# Allegro board 038RT-9068CJK8E-A100_0921_1.brd (continued)
## Nets (continued)
SLOT1-UP.D12 SLOT1-UP.D14 SLOT1-UP.D16 SLOT1-UP.D18 SLOT1-UP.D20 SLOT1-UP.D22 SLOT1-UP.D24 SLOT1-UP.D26 SLOT1-UP.E2 SLOT1-UP.E4 SLOT1-UP.E6 SLOT1-UP.E8 SLOT1-UP.E10 SLOT1-UP.E12 SLOT1-UP.E14 SLOT1-UP.E16 SLOT1-UP.E18 SLOT1-UP.E20 SLOT1-UP.E22 SLOT1-UP.E24 SLOT1-UP.E26 SLOT1-UP.F2 SLOT1-UP.F4 SLOT1-UP.F6 SLOT1-UP.F8 SLOT1-UP.F10 SLOT1-UP.F12 SLOT1-UP.F14 SLOT1-UP.F16 SLOT1-UP.F18 SLOT1-UP.F20 SLOT1-UP.F22 SLOT1-UP.F24 SLOT1-UP.F26 SLOT2-DOWN.A2 SLOT2-DOWN.A4 SLOT2-DOWN.A6 SLOT2-DOWN.A8 SLOT2-DOWN.A10 SLOT2-DOWN.A12 SLOT2-DOWN.A14 SLOT2-DOWN.A16 SLOT2-DOWN.A18 SLOT2-DOWN.A20 SLOT2-DOWN.A22 SLOT2-DOWN.A24 SLOT2-DOWN.A26 SLOT2-DOWN.B1 SLOT2-DOWN.B3 SLOT2-DOWN.B5 SLOT2-DOWN.B7 SLOT2-DOWN.B9 SLOT2-DOWN.B11 SLOT2-DOWN.B13 SLOT2-DOWN.B15 SLOT2-DOWN.B17 SLOT2-DOWN.B19 SLOT2-DOWN.B21 SLOT2-DOWN.B23 SLOT2-DOWN.B25 SLOT2-DOWN.B27 SLOT2-DOWN.C2 SLOT2-DOWN.C4 SLOT2-DOWN.C6 SLOT2-DOWN.C8 SLOT2-DOWN.C10 SLOT2-DOWN.C12 SLOT2-DOWN.C14 SLOT2-DOWN.C16 SLOT2-DOWN.C18 SLOT2-DOWN.C20 SLOT2-DOWN.C22 SLOT2-DOWN.C24 SLOT2-DOWN.C26 SLOT2-DOWN.D5 SLOT2-DOWN.D7 SLOT2-DOWN.D9 SLOT2-DOWN.D11 SLOT2-DOWN.D13 SLOT2-DOWN.D15 SLOT2-DOWN.D17 SLOT2-DOWN.D19 SLOT2-DOWN.D21 SLOT2-DOWN.D23 SLOT2-DOWN.D25 SLOT2-DOWN.E1 SLOT2-DOWN.E2 SLOT2-DOWN.E4 SLOT2-DOWN.E6 SLOT2-DOWN.E8 SLOT2-DOWN.E10 SLOT2-DOWN.E12 SLOT2-DOWN.E14 SLOT2-DOWN.E16 SLOT2-DOWN.E18 SLOT2-DOWN.E20 SLOT2-DOWN.E22 SLOT2-DOWN.E24 SLOT2-DOWN.E26 SLOT2-DOWN.F1 SLOT2-DOWN.F3 SLOT2-DOWN.F5 SLOT2-DOWN.F7 SLOT2-DOWN.F9 SLOT2-DOWN.F11 SLOT2-DOWN.F13 SLOT2-DOWN.F15 SLOT2-DOWN.F17 SLOT2-DOWN.F19 SLOT2-DOWN.F21 SLOT2-DOWN.F23 SLOT2-DOWN.F25 SLOT2-UP.A1 SLOT2-UP.A3 SLOT2-UP.A5 SLOT2-UP.A7 SLOT2-UP.A9 SLOT2-UP.A11 SLOT2-UP.A13 SLOT2-UP.A15 SLOT2-UP.A17 SLOT2-UP.A19 SLOT2-UP.A21 SLOT2-UP.A23 SLOT2-UP.A25 SLOT2-UP.A27 SLOT2-UP.B2 SLOT2-UP.B4 SLOT2-UP.B6 SLOT2-UP.B8 SLOT2-UP.B10 SLOT2-UP.B12 SLOT2-UP.B14 SLOT2-UP.B16 SLOT2-UP.B18 SLOT2-UP.B20 SLOT2-UP.B22 SLOT2-UP.B24 SLOT2-UP.B26 SLOT2-UP.C1 SLOT2-UP.C3 SLOT2-UP.C5 SLOT2-UP.C7 SLOT2-UP.C9 SLOT2-UP.C11 SLOT2-UP.C13 SLOT2-UP.C15 SLOT2-UP.C17 SLOT2-UP.C19 SLOT2-UP.C21 SLOT2-UP.C23 SLOT2-UP.C25 SLOT2-UP.C27 SLOT2-UP.D2 SLOT2-UP.D4 SLOT2-UP.D6 SLOT2-UP.D8 SLOT2-UP.D10 SLOT2-UP.D12 SLOT2-UP.D14 SLOT2-UP.D16 SLOT2-UP.D18 SLOT2-UP.D20 SLOT2-UP.D22 SLOT2-UP.D24 SLOT2-UP.D26 SLOT2-UP.E2 SLOT2-UP.E4 SLOT2-UP.E6 SLOT2-UP.E8 SLOT2-UP.E10 SLOT2-UP.E12 SLOT2-UP.E14 SLOT2-UP.E16 SLOT2-UP.E18 SLOT2-UP.E20 SLOT2-UP.E22 SLOT2-UP.E24 SLOT2-UP.E26 SLOT2-UP.F2 SLOT2-UP.F4 SLOT2-UP.F6 SLOT2-UP.F8 SLOT2-UP.F10 SLOT2-UP.F12 SLOT2-UP.F14 SLOT2-UP.F16 SLOT2-UP.F18 SLOT2-UP.F20 SLOT2-UP.F22 SLOT2-UP.F24 SLOT2-UP.F26 SLOT3-DOWN.A2 SLOT3-DOWN.A4 SLOT3-DOWN.A6 SLOT3-DOWN.A8 SLOT3-DOWN.A10 SLOT3-DOWN.A12 SLOT3-DOWN.A14 SLOT3-DOWN.A16 SLOT3-DOWN.A18 SLOT3-DOWN.A20 SLOT3-DOWN.A22 SLOT3-DOWN.A24 SLOT3-DOWN.A26 SLOT3-DOWN.B1 SLOT3-DOWN.B3 SLOT3-DOWN.B5 SLOT3-DOWN.B7 SLOT3-DOWN.B9 SLOT3-DOWN.B11 SLOT3-DOWN.B13 SLOT3-DOWN.B15 SLOT3-DOWN.B17 SLOT3-DOWN.B19 SLOT3-DOWN.B21 SLOT3-DOWN.B23 SLOT3-DOWN.B25 SLOT3-DOWN.B27 SLOT3-DOWN.C2 SLOT3-DOWN.C4 SLOT3-DOWN.C6 SLOT3-DOWN.C8 SLOT3-DOWN.C10 SLOT3-DOWN.C12 SLOT3-DOWN.C14 SLOT3-DOWN.C16 SLOT3-DOWN.C18 SLOT3-DOWN.C20 SLOT3-DOWN.C22 SLOT3-DOWN.C24 SLOT3-DOWN.C26 SLOT3-DOWN.D5 SLOT3-DOWN.D7 SLOT3-DOWN.D9 SLOT3-DOWN.D11 SLOT3-DOWN.D13 SLOT3-DOWN.D15 SLOT3-DOWN.D17 SLOT3-DOWN.D19 SLOT3-DOWN.D21 SLOT3-DOWN.D23 SLOT3-DOWN.D25 SLOT3-DOWN.E1 SLOT3-DOWN.E2 SLOT3-DOWN.E4 SLOT3-DOWN.E6 SLOT3-DOWN.E8 SLOT3-DOWN.E10 SLOT3-DOWN.E12 SLOT3-DOWN.E14 SLOT3-DOWN.E16 SLOT3-DOWN.E18 SLOT3-DOWN.E20 SLOT3-DOWN.E22 SLOT3-DOWN.E24 SLOT3-DOWN.E26 SLOT3-DOWN.F1 SLOT3-DOWN.F3 SLOT3-DOWN.F5 SLOT3-DOWN.F7 SLOT3-DOWN.F9 SLOT3-DOWN.F11 SLOT3-DOWN.F13 SLOT3-DOWN.F15 SLOT3-DOWN.F17 SLOT3-DOWN.F19 SLOT3-DOWN.F21 SLOT3-DOWN.F23 SLOT3-DOWN.F25 SLOT3-UP.A1 SLOT3-UP.A3 SLOT3-UP.A5 SLOT3-UP.A7 SLOT3-UP.A9 SLOT3-UP.A11 SLOT3-UP.A13 SLOT3-UP.A15 SLOT3-UP.A17 SLOT3-UP.A19 SLOT3-UP.A21 SLOT3-UP.A23 SLOT3-UP.A25 SLOT3-UP.A27 SLOT3-UP.B2 SLOT3-UP.B4 SLOT3-UP.B6 SLOT3-UP.B8 SLOT3-UP.B10 SLOT3-UP.B12 SLOT3-UP.B14 SLOT3-UP.B16 SLOT3-UP.B18 SLOT3-UP.B20 SLOT3-UP.B22 SLOT3-UP.B24 SLOT3-UP.B26 SLOT3-UP.C1 SLOT3-UP.C3 SLOT3-UP.C5 SLOT3-UP.C7 SLOT3-UP.C9 SLOT3-UP.C11 SLOT3-UP.C13 SLOT3-UP.C15 SLOT3-UP.C17 SLOT3-UP.C19 SLOT3-UP.C21 SLOT3-UP.C23 SLOT3-UP.C25 SLOT3-UP.C27 SLOT3-UP.D2 SLOT3-UP.D4 SLOT3-UP.D6 SLOT3-UP.D8 SLOT3-UP.D10 SLOT3-UP.D12 SLOT3-UP.D14 SLOT3-UP.D16 SLOT3-UP.D18 SLOT3-UP.D20 SLOT3-UP.D22 SLOT3-UP.D24 SLOT3-UP.D26 SLOT3-UP.E2 SLOT3-UP.E4 SLOT3-UP.E6 SLOT3-UP.E8 SLOT3-UP.E10 SLOT3-UP.E12 SLOT3-UP.E14 SLOT3-UP.E16 SLOT3-UP.E18 SLOT3-UP.E20 SLOT3-UP.E22 SLOT3-UP.E24 SLOT3-UP.E26 SLOT3-UP.F2 SLOT3-UP.F4 SLOT3-UP.F6 SLOT3-UP.F8 SLOT3-UP.F10 SLOT3-UP.F12 SLOT3-UP.F14 SLOT3-UP.F16 SLOT3-UP.F18 SLOT3-UP.F20 SLOT3-UP.F22 SLOT3-UP.F24 SLOT3-UP.F26 SLOT21.B2 SLOT21.B5 SLOT21.B8 SLOT21.B11 SLOT21.B14 SLOT21.B17 SLOT21.B20 SLOT21.B23 SLOT21.D2 SLOT21.D5 SLOT21.D8 SLOT21.D11 SLOT21.D14 SLOT21.D17 SLOT21.D20 SLOT21.D23 SLOT21.E3 SLOT21.E6 SLOT21.E9 SLOT21.E12 SLOT21.E15 SLOT21.E18 SLOT21.E21 SLOT21.E24 SLOT21.F7 SLOT21.F10 SLOT21.F13 SLOT21.F16 SLOT21.F19 SLOT21.F22 SLOT22.B2 SLOT22.B5 SLOT22.B8 SLOT22.B11 SLOT22.B14 SLOT22.B17 SLOT22.B20 SLOT22.B23 SLOT22.D2 SLOT22.D5 SLOT22.D8 SLOT22.D11 SLOT22.D14 SLOT22.D17 SLOT22.D20 SLOT22.D23 SLOT22.E3 SLOT22.E6 SLOT22.E9 SLOT22.E12 SLOT22.E15 SLOT22.E18 SLOT22.E21 SLOT22.E24 SLOT22.F7 SLOT22.F10 SLOT22.F13 SLOT22.F16 SLOT22.F19 SLOT22.F22 SLOT23.B2 SLOT23.B5 SLOT23.B8 SLOT23.B11 SLOT23.B14 SLOT23.B17 SLOT23.B20 SLOT23.B23 SLOT23.D2 SLOT23.D5 SLOT23.D8 SLOT23.D11 SLOT23.D14 SLOT23.D17 SLOT23.D20 SLOT23.D23 SLOT23.E3 SLOT23.E6 SLOT23.E9 SLOT23.E12 SLOT23.E15 SLOT23.E18 SLOT23.E21 SLOT23.E24 SLOT23.F7 SLOT23.F10 SLOT23.F13 SLOT23.F16 SLOT23.F19 SLOT23.F22 SLOT24.B2 SLOT24.B5 SLOT24.B8 SLOT24.B11 SLOT24.B14 SLOT24.B17 SLOT24.B20 SLOT24.B23 SLOT24.D2 SLOT24.D5 SLOT24.D8 SLOT24.D11 SLOT24.D14 SLOT24.D17 SLOT24.D20 SLOT24.D23 SLOT24.E3 SLOT24.E6 SLOT24.E9 SLOT24.E12 SLOT24.E15 SLOT24.E18 SLOT24.E21 SLOT24.E24 SLOT24.F7 SLOT24.F10 SLOT24.F13 SLOT24.F16 SLOT24.F19 SLOT24.F22 SPIH11.4(GND) SPIH21.4(GND) STB00.2 STB64.2 STG1.1 STG01.1 STG2.1 STG3.1 STG6.1 SWR1.4(PGND) SWR1.8(SGND) SWR1.EP(EP(PGND)) U6.1(GND_1) U6.3(GND_2) U6.4(GND_3) U6.5(GND_4) U6.9(GND_5) U6.14(GND_6) U6.17(GND_7) U6.23(GND_8) U6.29(GND_9) U6.30(GND_10) U6.32(GND_11) U6.34(GND_12) U6.35(GND_13) U6.41(GND_14) U6.50(GND_15) U6.51(GND_16) U6.57(GND_17) U6.62(GND_18) U6.63(GND_19) U17.1(GND_1) U17.3(GND_2) U17.4(GND_3) U17.5(GND_4) U17.9(GND_5) U17.14(GND_6) U17.17(GND_7) U17.23(GND_8) U17.29(GND_9) U17.30(GND_10) U17.32(GND_11) U17.34(GND_12) U17.35(GND_13) U17.41(GND_14) U17.50(GND_15) U17.51(GND_16) U17.57(GND_17) U17.62(GND_18) U17.63(GND_19) U18.1(GND_1) U18.3(GND_2) U18.4(GND_3) U18.5(GND_4) U18.9(GND_5) U18.14(GND_6) U18.17(GND_7) U18.23(GND_8) U18.29(GND_9) U18.30(GND_10) U18.32(GND_11) U18.34(GND_12) U18.35(GND_13) U18.41(GND_14) U18.50(GND_15) U18.51(GND_16) U18.57(GND_17) U18.62(GND_18) U18.63(GND_19) UNK1BD15.2 UNK1BD16.2 UNK1BD17.1 UNK1BD18.1 UNK1BDG15.2 UNK1BDG16.2 UNK1BDG17.1 UNK1BDG18.1 UNK1BDH11.1 UNK1BDH12.1 UNK1BDH13.1 UNK1BDH14.1 UNK1BDH21.1 UNK1BDH22.1 UNK1BDH23.1 UNK1BDH24.1 UNK1C13.2 UNK1C18.2 UNK1C19.2 UNK1C75.1 UNK1C76.1 UNK1C78.2 UNK1C79.2 UNK1C119.2 UNK1C144.2 UNK1C145.2 UNK1C168.1 UNK1C169.1 UNK1C171.2 UNK1C172.2 UNK1C173.2 UNK1C174.1 UNK1C174.2 UNK1C175.1 UNK1C175.2 UNK1C176.1 UNK1C176.2 UNK1C177.1 UNK1C177.2 UNK1C178.1 UNK1C178.2 UNK1C181.2 UNK1C182.2 UNK1C185.2 UNK1C194.2 UNK1C197.2 UNK1C209.2 UNK1C213.2 UNK1C214.2 UNK1C217.2 UNK1C220.2 UNK1C292.2 UNK1C319.1 UNK1C319.2 UNK1C320.1 UNK1C320.2 UNK1C321.1 UNK1C321.2 UNK1C322.1 UNK1C322.2 UNK1C323.1 UNK1C323.2 UNK1C324.2 UNK1C325.2 UNK1C375.2 UNK1C379.2 UNK1C391.2 UNK1C399.2 UNK1C406.2 UNK1C418.2 UNK1C427.2 UNK1C436.2 UNK1C439.2 UNK1C440.2 UNK1C441.2 UNK1C442.2 UNK1CD1.2 UNK1CD2.2 UNK1CD3.2 UNK1CD4.2 UNK1CD5.2 UNK1CD6.2 UNK1CD7.2 UNK1CD8.2 UNK1CD9.2 UNK1CD10.2 UNK1CD11.2 UNK1CD12.2 UNK1CD13.2 UNK1CD14.2 UNK1CD15.2 UNK1CD16.2 UNK1CD17.2 UNK1CD18.2 UNK1CD19.2 UNK1CD20.2 UNK1CD21.2 UNK1CD22.2 UNK1CD23.2 UNK1CD24.2 UNK1CD25.2 UNK1CD26.2 UNK1CD27.2 UNK1CD28.2 UNK1CD29.2 UNK1CD30.2 UNK1CD31.2 UNK1CD32.2 UNK1CD33.2 UNK1CD34.2 UNK1CD35.2 UNK1CD36.2 UNK1CD37.2 UNK1CD38.2 UNK1CD39.2 UNK1CD40.2 UNK1CD41.2 UNK1CD42.2 UNK1CD43.2 UNK1CD44.2 UNK1CD45.2 UNK1CD46.2 UNK1CD47.2 UNK1CD48.2 UNK1CD49.2 UNK1CD50.2 UNK1CD51.2 UNK1CD52.2 UNK1CD53.2 UNK1CD54.2 UNK1CD55.2 UNK1CD56.2 UNK1CD57.2 UNK1CD58.2 UNK1CD59.2 UNK1CD60.2 UNK1CD61.2 UNK1CD62.2 UNK1CD63.2 UNK1CD64.2 UNK1CD65.2 UNK1CD66.2 UNK1CD67.2 UNK1CD68.2 UNK1CD69.2 UNK1CD70.2 UNK1CD71.2 UNK1CD72.2 UNK1CD73.2 UNK1CD74.2 UNK1CD75.2 UNK1CD76.2 UNK1CD77.2 UNK1CD78.2 UNK1CD79.2 UNK1CD80.2 UNK1CD81.2 UNK1CD82.2 UNK1CD83.2 UNK1CD84.2 UNK1CD85.2 UNK1CD86.2 UNK1CD87.2 UNK1CD88.2 UNK1CD89.2 UNK1CD91.2 UNK1CD92.2 UNK1CD93.2 UNK1CD94.2 UNK1CD95.2 UNK1CD97.2 UNK1CD98.2 UNK1CD99.2 UNK1CD100.2 UNK1CD104.2 UNK1CD105.2 UNK1CD106.2 UNK1CD107.2 UNK1CD108.2 UNK1CD109.2 UNK1CD110.2 UNK1CD111.2 UNK1CD112.2 UNK1CD113.2 UNK1CD115.2 UNK1CD116.2 UNK1CD117.2 UNK1CD118.2 UNK1CD119.2 UNK1CD120.2 UNK1CD121.2 UNK1CD122.2 UNK1CD123.2 UNK1CD124.2 UNK1CD125.2 UNK1CD126.2 UNK1CD127.2 UNK1CD128.2 UNK1CD129.2 UNK1CD130.2 UNK1CD131.2 UNK1CD132.2 UNK1CD133.2 UNK1CD134.2 UNK1CD135.2 UNK1CD136.2 UNK1CD137.2 UNK1CD138.2 UNK1CD139.2 UNK1CD140.2 UNK1CD141.2 UNK1CD142.2 UNK1CD143.2 UNK1CD144.2 UNK1CD145.2 UNK1CD146.2 UNK1CD147.2 UNK1CD148.2 UNK1CD149.2 UNK1CD150.2 UNK1CD151.2 UNK1CD152.2 UNK1CD154.2 UNK1CD155.2 UNK1CD156.2 UNK1CD157.2 UNK1CD158.2 UNK1CD159.2 UNK1CD160.2 UNK1CD161.2 UNK1CD162.2 UNK1CD163.2 UNK1CD164.2 UNK1CD165.2 UNK1CD166.2 UNK1CD167.2 UNK1CD168.2 UNK1CD169.2 UNK1CD170.2 UNK1CD171.2 UNK1CD172.2 UNK1CD173.2 UNK1CD174.2 UNK1CD175.2 UNK1CD176.2 UNK1CD177.2 UNK1CD178.2 UNK1CD179.2 UNK1CD180.2 UNK1CD181.2 UNK1CD182.2 UNK1CD183.2 UNK1CG1.2 UNK1CG2.2 UNK1CG3.2 UNK1CG4.2 UNK1CG5.2 UNK1CG6.2 UNK1CG7.2 UNK1CG8.2 UNK1CG9.2 UNK1CG10.2 UNK1CG11.2 UNK1CG12.2 UNK1CG13.2 UNK1CG14.2 UNK1CG15.2 UNK1CG16.2 UNK1CG17.2 UNK1CG18.2 UNK1CG19.2 UNK1CG20.2 UNK1CG21.2 UNK1CG22.2 UNK1CG23.2 UNK1CG24.2 UNK1CG25.2 UNK1CG26.2 UNK1CG27.2 UNK1CG28.2 UNK1CG29.2 UNK1CG30.2 UNK1CG31.2 UNK1CG32.2 UNK1CG33.2 UNK1CG34.2 UNK1CG35.2 UNK1CG36.2 UNK1CG37.2 UNK1CG38.2 UNK1CG39.2 UNK1CG40.2 UNK1CG41.2 UNK1CG42.2 UNK1CG43.2 UNK1CG44.2 UNK1CG45.2 UNK1CG46.2 UNK1CG47.2 UNK1CG48.2 UNK1CG49.2 UNK1CG50.2 UNK1CG51.2 UNK1CG52.2 UNK1CG53.2 UNK1CG54.2 UNK1CG55.2 UNK1CG56.2 UNK1CG57.2 UNK1CG58.2 UNK1CG59.2 UNK1CG60.2 UNK1CG61.2 UNK1CG62.2 UNK1CG63.2 UNK1CG64.2 UNK1CG65.2 UNK1CG66.2 UNK1CG67.2 UNK1CG68.2 UNK1CG69.2 UNK1CG70.2 UNK1CG71.2 UNK1CG72.2 UNK1CG73.2 UNK1CG74.2 UNK1CG75.2 UNK1CG76.2 UNK1CG77.2 UNK1CG78.2 UNK1CG79.2 UNK1CG80.2 UNK1CG81.2 UNK1CG82.2 UNK1CG83.2 UNK1CG84.2 UNK1CG85.2 UNK1CG86.2 UNK1CG87.2 UNK1CG88.2 UNK1CG89.2 UNK1CG91.2 UNK1CG92.2 UNK1CG93.2 UNK1CG94.2 UNK1CG95.2 UNK1CG97.2 UNK1CG98.2 UNK1CG99.2 UNK1CG100.2 UNK1CG101.2 UNK1CG102.2 UNK1CG103.2 UNK1CG104.2 UNK1CG105.2 UNK1CG106.2 UNK1CG107.2 UNK1CG108.2 UNK1CG109.2 UNK1CG110.2 UNK1CG111.2 UNK1CG112.2 UNK1CG113.2 UNK1CG115.2 UNK1CG116.2 UNK1CG117.2 UNK1CG118.2 UNK1CG119.2 UNK1CG120.2 UNK1CG121.2 UNK1CG122.2 UNK1CG123.2 UNK1CG124.2 UNK1CG125.2 UNK1CG126.2 UNK1CG127.2 UNK1CG128.2 UNK1CG129.2 UNK1CG130.2 UNK1CG131.2 UNK1CG132.2 UNK1CG133.2 UNK1CG134.2 UNK1CG135.2 UNK1CG136.2 UNK1CG137.2 UNK1CG138.2 UNK1CG139.2 UNK1CG140.2 UNK1CG141.2 UNK1CG142.2 UNK1CG143.2 UNK1CG144.2 UNK1CG145.2 UNK1CG146.2 UNK1CG147.2 UNK1CG148.2 UNK1CG149.2 UNK1CG150.2 UNK1CG151.2 UNK1CG152.2 UNK1CG154.2 UNK1CG155.2 UNK1CG156.2 UNK1CG158.2 UNK1CG159.2 UNK1CG161.2 UNK1CG162.2 UNK1CG163.2 UNK1CG164.2 UNK1CG165.2 UNK1CG166.2 UNK1CG167.2 UNK1CG169.2 UNK1CG170.2 UNK1CG171.2 UNK1CG172.2 UNK1CG173.2 UNK1CG174.2 UNK1CG178.2 UNK1CG179.2 UNK1CG180.2 UNK1CG181.2 UNK1CG182.2 UNK1CG183.2 UNK1CG326.2 UNK1CG327.2 UNK1CH11.2 UNK1CH21.2 UNK1CH131.2 UNK1CH141.2 UNK1CH142.2 UNK1CH152.2 UNK1CH153.1 UNK1CH154.1 UNK1CH241.2 UNK1CH242.2 UNK1CH252.2 UNK1CH253.1 UNK1CH254.1 UNK1CH1111.2 UNK1CH1112.2 UNK1CH1171.2 UNK1CH1172.2 UNK1CH1173.2 UNK1CH1174.2 UNK1CH1201.2 UNK1CH1202.2 UNK1CH1251.2 UNK1CH1252.2 UNK1CH1331.2 UNK1CH1332.2 UNK1CH1333.2 UNK1CH1334.2 UNK1CH1341.2 UNK1CH1342.2 UNK1CH1351.2 UNK1CH1352.2 UNK1CH1361.2 UNK1CH1362.2 UNK1CH1363.2 UNK1CH1364.2 UNK1CH1391.2 UNK1CH1392.2 UNK1CH1401.2 UNK1CH1402.2 UNK1CH1403.2 UNK1CH1404.2 UNK1CH1501.2 UNK1CH1502.2 UNK1CH1503.2 UNK1CH1504.2 UNK1CH1633.2 UNK1CH1634.2 UNK1CH2111.2 UNK1CH2112.2 UNK1CH2171.2 UNK1CH2172.2 UNK1CH2173.2 UNK1CH2174.2 UNK1CH2201.2 UNK1CH2202.2 UNK1CH2251.2 UNK1CH2252.2 UNK1CH2331.2 UNK1CH2341.2 UNK1CH2342.2 UNK1CH2351.2 UNK1CH2352.2 UNK1CH2361.2 UNK1CH2362.2 UNK1CH2363.2 UNK1CH2364.2 UNK1CH2391.2 UNK1CH2392.2 UNK1CH2401.2 UNK1CH2402.2 UNK1CH2403.2 UNK1CH2404.2 UNK1CH2501.2 UNK1CH2502.2 UNK1CH2503.2 UNK1CH2504.2 UNK1CH2633.2 UNK1CH2634.2 UNK1CON1.FG1 UNK1CON1.FG2 UNK1CON3.FG1 UNK1CON3.FG2 UNK1CS1.2 UNK1CS3.2 UNK1CS4.2 UNK1CS5.2 UNK1HOST1.15 UNK1HOST1.45 UNK1HOST1.EP UNK1HOST1.G1 UNK1HOST1.G2 UNK1HOST1.G3 UNK1HOST1.G4 UNK1HOST1.G5 UNK1HOST1.G6 UNK1HOST1.G7 UNK1HOST1.G8 UNK1HOST1.G9 UNK1HOST1.G10 UNK1HOST1.G11 UNK1HOST1.G12 UNK1HOST1.G13 UNK1HOST1.G14 UNK1HOST1.G15 UNK1HOST1.G16 UNK1HOST1.G17 UNK1HOST1.G18 UNK1HOST1.G19 UNK1HOST1.G20 UNK1HOST1.G21 UNK1HOST1.G22 UNK1HOST1.G23 UNK1HOST1.G24 UNK1HOST2.15 UNK1HOST2.45 UNK1HOST2.EP UNK1HOST2.G1 UNK1HOST2.G2 UNK1HOST2.G3 UNK1HOST2.G4 UNK1HOST2.G5 UNK1HOST2.G6 UNK1HOST2.G7 UNK1HOST2.G8 UNK1HOST2.G9 UNK1HOST2.G10 UNK1HOST2.G11 UNK1HOST2.G12 UNK1HOST2.G13 UNK1HOST2.G14 UNK1HOST2.G15 UNK1HOST2.G16 UNK1HOST2.G17 UNK1HOST2.G18 UNK1HOST2.G19 UNK1HOST2.G20 UNK1HOST2.G21 UNK1HOST2.G22 UNK1HOST2.G23 UNK1HOST2.G24 UNK1K6.10 UNK1K144.4 UNK1K144.14 UNK1K144.19 UNK1K144.21 UNK1K144.39 UNK1K144.41 UNK1K144.EP UNK1K145.4 UNK1K145.14 UNK1K145.19 UNK1K145.21 UNK1K145.39 UNK1K145.41 UNK1K145.EP UNK1K183.7 UNK1K184.4 UNK1K184.14 UNK1K184.19 UNK1K184.21 UNK1K184.39 UNK1K184.41 UNK1K184.EP UNK1K213.4 UNK1K213.14 UNK1K213.19 UNK1K213.21 UNK1K213.39 UNK1K213.41 UNK1K213.EP UNK1K214.4 UNK1K214.14 UNK1K214.19 UNK1K214.21 UNK1K214.39 UNK1K214.41 UNK1K214.EP UNK1K217.4 UNK1K217.14 UNK1K217.19 UNK1K217.21 UNK1K217.39 UNK1K217.41 UNK1K217.EP UNK1R2.2 UNK1R3.2 UNK1R5.2 UNK1R6.2 UNK1R7.2 UNK1R9.2 UNK1R10.2 UNK1R19.2 UNK1R24.2 UNK1R26.2 UNK1R56.2 UNK1R62.2 UNK1R69.2 UNK1R105.2 UNK1R110.2 UNK1R138.1 UNK1R264.2 UNK1R275.2 UNK1R281.2 UNK1R282.2 UNK1R309.2 UNK1R343.2 UNK1R345.2 UNK1R456.2 UNK1R500.2 UNK1R519.2 UNK1R538.2 UNK1R552.1 UNK1R568.2 UNK1R569.2 UNK1R570.2 UNK1R571.2 UNK1R572.2 UNK1R573.2 UNK1R574.2 UNK1R575.2 UNK1R576.2 UNK1R577.2 UNK1RB8.2 UNK1RH121.1 UNK1RH129.2 UNK1RH172.1 UNK1RH221.1 UNK1RH229.2 UNK1RH272.1 UNK1RH1511.2 UNK1RH2511.2 UNK1RL15.2 UNK1RL16.2 UNK1RL18.2 UNK1RL21.2 UNK1RL39.2 UNK1RL42.2 UNK1RL44.2 UNK1RRG49.2 UNK1RRG52.2 UNK1RRG54.2 UNK1RRG56.2 UNK1RRG58.2 UNK1RRG59.2 UNK1RRG92.2 UNK1RRG94.2 UNK1RRG96.2 UNK1RSG104.2 UNK1RSG105.2 UNK1RSG114.2 UNK1RSG115.2 UNK1SPIH11.4 UNK1SPIH21.4 UNK1STB00.2 UNK1STB64.2 UNK1STG1.1 UNK1STG01.1 UNK1STG2.1 UNK1STG3.1 UNK1STG6.1 UNK1SWR1.4 UNK1SWR1.8 UNK1SWR1.EP UNK1U6.1 UNK1U6.3 UNK1U6.4 UNK1U6.5 UNK1U6.9 UNK1U6.14 UNK1U6.17 UNK1U6.23 UNK1U6.29 UNK1U6.30 UNK1U6.32 UNK1U6.34 UNK1U6.35 UNK1U6.41 UNK1U6.50 UNK1U6.51 UNK1U6.57 UNK1U6.62 UNK1U6.63 UNK1U17.1 UNK1U17.3 UNK1U17.4 UNK1U17.5 UNK1U17.9 UNK1U17.14 UNK1U17.17 UNK1U17.23 UNK1U17.29 UNK1U17.30 UNK1U17.32 UNK1U17.34 UNK1U17.35 UNK1U17.41 UNK1U17.50 UNK1U17.51 UNK1U17.57 UNK1U17.62 UNK1U17.63 UNK1U18.1 UNK1U18.3 UNK1U18.4 UNK1U18.5 UNK1U18.9 UNK1U18.14 UNK1U18.17 UNK1U18.23 UNK1U18.29 UNK1U18.30 UNK1U18.32 UNK1U18.34 UNK1U18.35 UNK1U18.41 UNK1U18.50 UNK1U18.51 UNK1U18.57 UNK1U18.62 UNK1U18.63 UNK1Y6.2 UNK1Y6.4 UNK1Y7.2 UNK1Y7.4 UNK1YH11.2 UNK1YH11.4 UNK1YH21.2 UNK1YH21.4 UNK2BD15.2 UNK2BD16.2 UNK2BD17.1 UNK2BD18.1 UNK2BDG15.2 UNK2BDG16.2 UNK2BDG17.1 UNK2BDG18.1 UNK2BDH11.1 UNK2BDH12.1 UNK2BDH13.1 UNK2BDH14.1 UNK2BDH21.1 UNK2BDH22.1 UNK2BDH23.1 UNK2BDH24.1 UNK2C13.2 UNK2C18.2 UNK2C19.2 UNK2C75.1 UNK2C76.1 UNK2C78.2 UNK2C79.2 UNK2C119.2 UNK2C144.2 UNK2C145.2 UNK2C168.1 UNK2C169.1 UNK2C171.2 UNK2C172.2 UNK2C173.2 UNK2C174.1 UNK2C174.2 UNK2C175.1 UNK2C175.2 UNK2C176.1 UNK2C176.2 UNK2C177.1 UNK2C177.2 UNK2C178.1 UNK2C178.2 UNK2C181.2 UNK2C182.2 UNK2C185.2 UNK2C194.2 UNK2C197.2 UNK2C209.2 UNK2C213.2 UNK2C214.2 UNK2C217.2 UNK2C220.2 UNK2C292.2 UNK2C319.1 UNK2C319.2 UNK2C320.1 UNK2C320.2 UNK2C321.1 UNK2C321.2 UNK2C322.1 UNK2C322.2 UNK2C323.1 UNK2C323.2 UNK2C324.2 UNK2C325.2 UNK2C375.2 UNK2C379.2 UNK2C391.2 UNK2C399.2 UNK2C406.2 UNK2C418.2 UNK2C427.2 UNK2C436.2 UNK2C439.2 UNK2C440.2 UNK2C441.2 UNK2C442.2 UNK2CD1.2 UNK2CD2.2 UNK2CD3.2 UNK2CD4.2 UNK2CD5.2 UNK2CD6.2 UNK2CD7.2 UNK2CD8.2 UNK2CD9.2 UNK2CD10.2 UNK2CD11.2 UNK2CD12.2 UNK2CD13.2 UNK2CD14.2 UNK2CD15.2 UNK2CD16.2 UNK2CD17.2 UNK2CD18.2 UNK2CD19.2 UNK2CD20.2 UNK2CD21.2 UNK2CD22.2 UNK2CD23.2 UNK2CD24.2 UNK2CD25.2 UNK2CD26.2 UNK2CD27.2 UNK2CD28.2 UNK2CD29.2 UNK2CD30.2 UNK2CD31.2 UNK2CD32.2 UNK2CD33.2 UNK2CD34.2 UNK2CD35.2 UNK2CD36.2 UNK2CD37.2 UNK2CD38.2 UNK2CD39.2 UNK2CD40.2 UNK2CD41.2 UNK2CD42.2 UNK2CD43.2 UNK2CD44.2 UNK2CD45.2 UNK2CD46.2 UNK2CD47.2 UNK2CD48.2 UNK2CD49.2 UNK2CD50.2 UNK2CD51.2 UNK2CD52.2 UNK2CD53.2 UNK2CD54.2 UNK2CD55.2 UNK2CD56.2 UNK2CD57.2 UNK2CD58.2 UNK2CD59.2 UNK2CD60.2 UNK2CD61.2 UNK2CD62.2 UNK2CD63.2 UNK2CD64.2 UNK2CD65.2 UNK2CD66.2 UNK2CD67.2 UNK2CD68.2 UNK2CD69.2 UNK2CD70.2 UNK2CD71.2 UNK2CD72.2 UNK2CD73.2 UNK2CD74.2 UNK2CD75.2 UNK2CD76.2 UNK2CD77.2 UNK2CD78.2 UNK2CD79.2 UNK2CD80.2 UNK2CD81.2 UNK2CD82.2 UNK2CD83.2 UNK2CD84.2 UNK2CD85.2 UNK2CD86.2 UNK2CD87.2 UNK2CD88.2 UNK2CD89.2 UNK2CD91.2 UNK2CD92.2 UNK2CD93.2 UNK2CD94.2 UNK2CD95.2 UNK2CD97.2 UNK2CD98.2 UNK2CD99.2 UNK2CD100.2 UNK2CD104.2 UNK2CD105.2 UNK2CD106.2 UNK2CD107.2 UNK2CD108.2 UNK2CD109.2 UNK2CD110.2 UNK2CD111.2 UNK2CD112.2 UNK2CD113.2 UNK2CD115.2 UNK2CD116.2 UNK2CD117.2 UNK2CD118.2 UNK2CD119.2 UNK2CD120.2 UNK2CD121.2 UNK2CD122.2 UNK2CD123.2 UNK2CD124.2 UNK2CD125.2 UNK2CD126.2 UNK2CD127.2 UNK2CD128.2 UNK2CD129.2 UNK2CD130.2 UNK2CD131.2 UNK2CD132.2 UNK2CD133.2 UNK2CD134.2 UNK2CD135.2 UNK2CD136.2 UNK2CD137.2 UNK2CD138.2 UNK2CD139.2 UNK2CD140.2 UNK2CD141.2 UNK2CD142.2 UNK2CD143.2 UNK2CD144.2 UNK2CD145.2 UNK2CD146.2 UNK2CD147.2 UNK2CD148.2 UNK2CD149.2 UNK2CD150.2 UNK2CD151.2 UNK2CD152.2 UNK2CD154.2 UNK2CD155.2 UNK2CD156.2 UNK2CD157.2 UNK2CD158.2 UNK2CD159.2 UNK2CD160.2 UNK2CD161.2 UNK2CD162.2 UNK2CD163.2 UNK2CD164.2 UNK2CD165.2 UNK2CD166.2 UNK2CD167.2 UNK2CD168.2 UNK2CD169.2 UNK2CD170.2 UNK2CD171.2 UNK2CD172.2 UNK2CD173.2 UNK2CD174.2 UNK2CD175.2 UNK2CD176.2 UNK2CD177.2 UNK2CD178.2 UNK2CD179.2 UNK2CD180.2 UNK2CD181.2 UNK2CD182.2 UNK2CD183.2 UNK2CG1.2 UNK2CG2.2 UNK2CG3.2 UNK2CG4.2 UNK2CG5.2 UNK2CG6.2 UNK2CG7.2 UNK2CG8.2 UNK2CG9.2 UNK2CG10.2 UNK2CG11.2 UNK2CG12.2 UNK2CG13.2 UNK2CG14.2 UNK2CG15.2 UNK2CG16.2 UNK2CG17.2 UNK2CG18.2 UNK2CG19.2 UNK2CG20.2 UNK2CG21.2 UNK2CG22.2 UNK2CG23.2 UNK2CG24.2 UNK2CG25.2 UNK2CG26.2 UNK2CG27.2 UNK2CG28.2 UNK2CG29.2 UNK2CG30.2 UNK2CG31.2 UNK2CG32.2 UNK2CG33.2 UNK2CG34.2 UNK2CG35.2 UNK2CG36.2 UNK2CG37.2 UNK2CG38.2 UNK2CG39.2 UNK2CG40.2 UNK2CG41.2 UNK2CG42.2 UNK2CG43.2 UNK2CG44.2 UNK2CG45.2 UNK2CG46.2 UNK2CG47.2 UNK2CG48.2 UNK2CG49.2 UNK2CG50.2 UNK2CG51.2 UNK2CG52.2 UNK2CG53.2 UNK2CG54.2 UNK2CG55.2 UNK2CG56.2 UNK2CG57.2 UNK2CG58.2 UNK2CG59.2 UNK2CG60.2 UNK2CG61.2 UNK2CG62.2 UNK2CG63.2 UNK2CG64.2 UNK2CG65.2 UNK2CG66.2 UNK2CG67.2 UNK2CG68.2 UNK2CG69.2 UNK2CG70.2 UNK2CG71.2 UNK2CG72.2 UNK2CG73.2 UNK2CG74.2 UNK2CG75.2 UNK2CG76.2 UNK2CG77.2 UNK2CG78.2 UNK2CG79.2 UNK2CG80.2 UNK2CG81.2 UNK2CG82.2 UNK2CG83.2 UNK2CG84.2 UNK2CG85.2 UNK2CG86.2 UNK2CG87.2 UNK2CG88.2 UNK2CG89.2 UNK2CG91.2 UNK2CG92.2 UNK2CG93.2 UNK2CG94.2 UNK2CG95.2 UNK2CG97.2 UNK2CG98.2 UNK2CG99.2 UNK2CG100.2 UNK2CG101.2 UNK2CG102.2 UNK2CG103.2 UNK2CG104.2 UNK2CG105.2 UNK2CG106.2 UNK2CG107.2 UNK2CG108.2 UNK2CG109.2 UNK2CG110.2 UNK2CG111.2 UNK2CG112.2 UNK2CG113.2 UNK2CG115.2 UNK2CG116.2 UNK2CG117.2 UNK2CG118.2 UNK2CG119.2 UNK2CG120.2 UNK2CG121.2 UNK2CG122.2 UNK2CG123.2 UNK2CG124.2 UNK2CG125.2 UNK2CG126.2 UNK2CG127.2 UNK2CG128.2 UNK2CG129.2 UNK2CG130.2 UNK2CG131.2 UNK2CG132.2 UNK2CG133.2 UNK2CG134.2 UNK2CG135.2 UNK2CG136.2 UNK2CG137.2 UNK2CG138.2 UNK2CG139.2 UNK2CG140.2 UNK2CG141.2 UNK2CG142.2 UNK2CG143.2 UNK2CG144.2 UNK2CG145.2 UNK2CG146.2 UNK2CG147.2 UNK2CG148.2 UNK2CG149.2 UNK2CG150.2 UNK2CG151.2 UNK2CG152.2 UNK2CG154.2 UNK2CG155.2 UNK2CG156.2 UNK2CG158.2 UNK2CG159.2 UNK2CG161.2 UNK2CG162.2 UNK2CG163.2 UNK2CG164.2 UNK2CG165.2 UNK2CG166.2 UNK2CG167.2 UNK2CG169.2 UNK2CG170.2 UNK2CG171.2 UNK2CG172.2 UNK2CG173.2 UNK2CG174.2 UNK2CG178.2 UNK2CG179.2 UNK2CG180.2 UNK2CG181.2 UNK2CG182.2 UNK2CG183.2 UNK2CG326.2 UNK2CG327.2 UNK2CH11.2 UNK2CH21.2 UNK2CH131.2 UNK2CH141.2 UNK2CH142.2 UNK2CH152.2 UNK2CH153.1 UNK2CH154.1 UNK2CH241.2 UNK2CH242.2 UNK2CH252.2 UNK2CH253.1 UNK2CH254.1 UNK2CH1111.2 UNK2CH1112.2 UNK2CH1171.2 UNK2CH1172.2 UNK2CH1173.2 UNK2CH1174.2 UNK2CH1201.2 UNK2CH1202.2 UNK2CH1251.2 UNK2CH1252.2 UNK2CH1331.2 UNK2CH1332.2 UNK2CH1333.2 UNK2CH1334.2 UNK2CH1341.2 UNK2CH1342.2 UNK2CH1351.2 UNK2CH1352.2 UNK2CH1361.2 UNK2CH1362.2 UNK2CH1363.2 UNK2CH1364.2 UNK2CH1391.2 UNK2CH1392.2 UNK2CH1401.2 UNK2CH1402.2 UNK2CH1403.2 UNK2CH1404.2 UNK2CH1501.2 UNK2CH1502.2 UNK2CH1503.2 UNK2CH1504.2 UNK2CH1633.2 UNK2CH1634.2 UNK2CH2111.2 UNK2CH2112.2 UNK2CH2171.2 UNK2CH2172.2 UNK2CH2173.2 UNK2CH2174.2 UNK2CH2201.2 UNK2CH2202.2 UNK2CH2251.2 UNK2CH2252.2 UNK2CH2331.2 UNK2CH2341.2 UNK2CH2342.2 UNK2CH2351.2 UNK2CH2352.2 UNK2CH2361.2 UNK2CH2362.2 UNK2CH2363.2 UNK2CH2364.2 UNK2CH2391.2 UNK2CH2392.2 UNK2CH2401.2 UNK2CH2402.2 UNK2CH2403.2 UNK2CH2404.2 UNK2CH2501.2 UNK2CH2502.2 UNK2CH2503.2 UNK2CH2504.2 UNK2CH2633.2 UNK2CH2634.2 UNK2CON1.FG1 UNK2CON1.FG2 UNK2CON3.FG1 UNK2CON3.FG2 UNK2CS1.2 UNK2CS3.2 UNK2CS4.2 UNK2CS5.2 UNK2HOST1.15 UNK2HOST1.45 UNK2HOST1.EP UNK2HOST1.G1 UNK2HOST1.G2 UNK2HOST1.G3 UNK2HOST1.G4 UNK2HOST1.G5 UNK2HOST1.G6 UNK2HOST1.G7 UNK2HOST1.G8 UNK2HOST1.G9 UNK2HOST1.G10 UNK2HOST1.G11 UNK2HOST1.G12 UNK2HOST1.G13 UNK2HOST1.G14 UNK2HOST1.G15 UNK2HOST1.G16 UNK2HOST1.G17 UNK2HOST1.G18 UNK2HOST1.G19 UNK2HOST1.G20 UNK2HOST1.G21 UNK2HOST1.G22 UNK2HOST1.G23 UNK2HOST1.G24 UNK2HOST2.15 UNK2HOST2.45 UNK2HOST2.EP UNK2HOST2.G1 UNK2HOST2.G2 UNK2HOST2.G3 UNK2HOST2.G4 UNK2HOST2.G5 UNK2HOST2.G6 UNK2HOST2.G7 UNK2HOST2.G8 UNK2HOST2.G9 UNK2HOST2.G10 UNK2HOST2.G11 UNK2HOST2.G12 UNK2HOST2.G13 UNK2HOST2.G14 UNK2HOST2.G15 UNK2HOST2.G16 UNK2HOST2.G17 UNK2HOST2.G18 UNK2HOST2.G19 UNK2HOST2.G20 UNK2HOST2.G21 UNK2HOST2.G22 UNK2HOST2.G23 UNK2HOST2.G24 UNK2K6.10 UNK2K144.4 UNK2K144.14 UNK2K144.19 UNK2K144.21 UNK2K144.39 UNK2K144.41 UNK2K144.EP UNK2K145.4 UNK2K145.14 UNK2K145.19 UNK2K145.21 UNK2K145.39 UNK2K145.41 UNK2K145.EP UNK2K183.7 UNK2K184.4 UNK2K184.14 UNK2K184.19 UNK2K184.21 UNK2K184.39 UNK2K184.41 UNK2K184.EP UNK2K213.4 UNK2K213.14 UNK2K213.19 UNK2K213.21 UNK2K213.39 UNK2K213.41 UNK2K213.EP UNK2K214.4 UNK2K214.14 UNK2K214.19 UNK2K214.21 UNK2K214.39 UNK2K214.41 UNK2K214.EP UNK2K217.4 UNK2K217.14 UNK2K217.19 UNK2K217.21 UNK2K217.39 UNK2K217.41 UNK2K217.EP UNK2R2.2 UNK2R3.2 UNK2R5.2 UNK2R6.2 UNK2R7.2 UNK2R9.2 UNK2R10.2 UNK2R19.2 UNK2R24.2 UNK2R26.2 UNK2R56.2 UNK2R62.2 UNK2R69.2 UNK2R105.2 UNK2R110.2 UNK2R138.1 UNK2R264.2 UNK2R275.2 UNK2R281.2 UNK2R282.2 UNK2R309.2 UNK2R343.2 UNK2R345.2 UNK2R456.2 UNK2R500.2 UNK2R519.2 UNK2R538.2 UNK2R552.1 UNK2R568.2 UNK2R569.2 UNK2R570.2 UNK2R571.2 UNK2R572.2 UNK2R573.2 UNK2R574.2 UNK2R575.2 UNK2R576.2 UNK2R577.2 UNK2RB8.2 UNK2RH121.1 UNK2RH129.2 UNK2RH172.1 UNK2RH221.1 UNK2RH229.2 UNK2RH272.1 UNK2RH1511.2 UNK2RH2511.2 UNK2RL15.2 UNK2RL16.2 UNK2RL18.2 UNK2RL21.2 UNK2RL39.2 UNK2RL42.2 UNK2RL44.2 UNK2RRG49.2 UNK2RRG52.2 UNK2RRG54.2 UNK2RRG56.2 UNK2RRG58.2 UNK2RRG59.2 UNK2RRG92.2 UNK2RRG94.2 UNK2RRG96.2 UNK2RSG104.2 UNK2RSG105.2 UNK2RSG114.2 UNK2RSG115.2 UNK2SPIH11.4 UNK2SPIH21.4 UNK2STB00.2 UNK2STB64.2 UNK2STG1.1 UNK2STG01.1 UNK2STG2.1 UNK2STG3.1 UNK2STG6.1 UNK2SWR1.4 UNK2SWR1.8 UNK2SWR1.EP UNK2U6.1 UNK2U6.3 UNK2U6.4 UNK2U6.5 UNK2U6.9 UNK2U6.14 UNK2U6.17 UNK2U6.23 UNK2U6.29 UNK2U6.30 UNK2U6.32 UNK2U6.34 UNK2U6.35 UNK2U6.41 UNK2U6.50 UNK2U6.51 UNK2U6.57 UNK2U6.62 UNK2U6.63 UNK2U17.1 UNK2U17.3 UNK2U17.4 UNK2U17.5 UNK2U17.9 UNK2U17.14 UNK2U17.17 UNK2U17.23 UNK2U17.29 UNK2U17.30 UNK2U17.32 UNK2U17.34 UNK2U17.35 UNK2U17.41 UNK2U17.50 UNK2U17.51 UNK2U17.57 UNK2U17.62 UNK2U17.63 UNK2U18.1 UNK2U18.3 UNK2U18.4 UNK2U18.5 UNK2U18.9 UNK2U18.14 UNK2U18.17 UNK2U18.23 UNK2U18.29 UNK2U18.30 UNK2U18.32 UNK2U18.34 UNK2U18.35 UNK2U18.41 UNK2U18.50 UNK2U18.51 UNK2U18.57 UNK2U18.62 UNK2U18.63 UNK2Y6.2 UNK2Y6.4 UNK2Y7.2 UNK2Y7.4 UNK2YH11.2 UNK2YH11.4 UNK2YH21.2 UNK2YH21.4 UNK3BD15.2 UNK3BD16.2 UNK3BD17.1 UNK3BD18.1 UNK3BDG15.2 UNK3BDG16.2 UNK3BDG17.1 UNK3BDG18.1 UNK3BDH11.1 UNK3BDH12.1 UNK3BDH13.1 UNK3BDH14.1 UNK3BDH21.1 UNK3BDH22.1 UNK3BDH23.1 UNK3BDH24.1 UNK3C13.2 UNK3C18.2 UNK3C19.2 UNK3C75.1 UNK3C76.1 UNK3C78.2 UNK3C79.2 UNK3C119.2 UNK3C144.2 UNK3C145.2 UNK3C168.1 UNK3C169.1 UNK3C171.2 UNK3C172.2 UNK3C173.2 UNK3C174.1 UNK3C174.2 UNK3C175.1 UNK3C175.2 UNK3C176.1 UNK3C176.2 UNK3C177.1 UNK3C177.2 UNK3C178.1 UNK3C178.2 UNK3C181.2 UNK3C182.2 UNK3C185.2 UNK3C194.2 UNK3C197.2 UNK3C209.2 UNK3C213.2 UNK3C214.2 UNK3C217.2 UNK3C220.2 UNK3C292.2 UNK3C319.1 UNK3C319.2 UNK3C320.1 UNK3C320.2 UNK3C321.1 UNK3C321.2 UNK3C322.1 UNK3C322.2 UNK3C323.1 UNK3C323.2 UNK3C324.2 UNK3C325.2 UNK3C375.2 UNK3C379.2 UNK3C391.2 UNK3C399.2 UNK3C406.2 UNK3C418.2 UNK3C427.2 UNK3C436.2 UNK3C439.2 UNK3C440.2 UNK3C441.2 UNK3C442.2 UNK3CD1.2 UNK3CD2.2 UNK3CD3.2 UNK3CD4.2 UNK3CD5.2 UNK3CD6.2 UNK3CD7.2 UNK3CD8.2 UNK3CD9.2 UNK3CD10.2 UNK3CD11.2 UNK3CD12.2 UNK3CD13.2 UNK3CD14.2 UNK3CD15.2 UNK3CD16.2 UNK3CD17.2 UNK3CD18.2 UNK3CD19.2 UNK3CD20.2 UNK3CD21.2 UNK3CD22.2 UNK3CD23.2 UNK3CD24.2 UNK3CD25.2 UNK3CD26.2 UNK3CD27.2 UNK3CD28.2 UNK3CD29.2 UNK3CD30.2 UNK3CD31.2 UNK3CD32.2 UNK3CD33.2 UNK3CD34.2 UNK3CD35.2 UNK3CD36.2 UNK3CD37.2 UNK3CD38.2 UNK3CD39.2 UNK3CD40.2 UNK3CD41.2 UNK3CD42.2 UNK3CD43.2 UNK3CD44.2 UNK3CD45.2 UNK3CD46.2 UNK3CD47.2 UNK3CD48.2 UNK3CD49.2 UNK3CD50.2 UNK3CD51.2 UNK3CD52.2 UNK3CD53.2 UNK3CD54.2 UNK3CD55.2 UNK3CD56.2 UNK3CD57.2 UNK3CD58.2 UNK3CD59.2 UNK3CD60.2 UNK3CD61.2 UNK3CD62.2 UNK3CD63.2 UNK3CD64.2 UNK3CD65.2 UNK3CD66.2 UNK3CD67.2 UNK3CD68.2 UNK3CD69.2 UNK3CD70.2 UNK3CD71.2 UNK3CD72.2 UNK3CD73.2 UNK3CD74.2 UNK3CD75.2 UNK3CD76.2 UNK3CD77.2 UNK3CD78.2 UNK3CD79.2 UNK3CD80.2 UNK3CD81.2 UNK3CD82.2 UNK3CD83.2 UNK3CD84.2 UNK3CD85.2 UNK3CD86.2 UNK3CD87.2 UNK3CD88.2 UNK3CD89.2 UNK3CD91.2 UNK3CD92.2 UNK3CD93.2 UNK3CD94.2 UNK3CD95.2 UNK3CD97.2 UNK3CD98.2 UNK3CD99.2 UNK3CD100.2 UNK3CD104.2 UNK3CD105.2 UNK3CD106.2 UNK3CD107.2 UNK3CD108.2 UNK3CD109.2 UNK3CD110.2 UNK3CD111.2 UNK3CD112.2 UNK3CD113.2 UNK3CD115.2 UNK3CD116.2 UNK3CD117.2 UNK3CD118.2 UNK3CD119.2 UNK3CD120.2 UNK3CD121.2 UNK3CD122.2 UNK3CD123.2 UNK3CD124.2 UNK3CD125.2 UNK3CD126.2 UNK3CD127.2 UNK3CD128.2 UNK3CD129.2 UNK3CD130.2 UNK3CD131.2 UNK3CD132.2 UNK3CD133.2 UNK3CD134.2 UNK3CD135.2 UNK3CD136.2 UNK3CD137.2 UNK3CD138.2 UNK3CD139.2 UNK3CD140.2 UNK3CD141.2 UNK3CD142.2 UNK3CD143.2 UNK3CD144.2 UNK3CD145.2 UNK3CD146.2 UNK3CD147.2 UNK3CD148.2 UNK3CD149.2 UNK3CD150.2 UNK3CD151.2 UNK3CD152.2 UNK3CD154.2 UNK3CD155.2 UNK3CD156.2 UNK3CD157.2 UNK3CD158.2 UNK3CD159.2 UNK3CD160.2 UNK3CD161.2 UNK3CD162.2 UNK3CD163.2 UNK3CD164.2 UNK3CD165.2 UNK3CD166.2 UNK3CD167.2 UNK3CD168.2 UNK3CD169.2 UNK3CD170.2 UNK3CD171.2 UNK3CD172.2 UNK3CD173.2 UNK3CD174.2 UNK3CD175.2 UNK3CD176.2 UNK3CD177.2 UNK3CD178.2 UNK3CD179.2 UNK3CD180.2 UNK3CD181.2 UNK3CD182.2 UNK3CD183.2 UNK3CG1.2 UNK3CG2.2 UNK3CG3.2 UNK3CG4.2 UNK3CG5.2 UNK3CG6.2 UNK3CG7.2 UNK3CG8.2 UNK3CG9.2 UNK3CG10.2 UNK3CG11.2 UNK3CG12.2 UNK3CG13.2 UNK3CG14.2 UNK3CG15.2 UNK3CG16.2 UNK3CG17.2 UNK3CG18.2 UNK3CG19.2 UNK3CG20.2 UNK3CG21.2 UNK3CG22.2 UNK3CG23.2 UNK3CG24.2 UNK3CG25.2 UNK3CG26.2 UNK3CG27.2 UNK3CG28.2 UNK3CG29.2 UNK3CG30.2 UNK3CG31.2 UNK3CG32.2 UNK3CG33.2 UNK3CG34.2 UNK3CG35.2 UNK3CG36.2 UNK3CG37.2 UNK3CG38.2 UNK3CG39.2 UNK3CG40.2 UNK3CG41.2 UNK3CG42.2 UNK3CG43.2 UNK3CG44.2 UNK3CG45.2 UNK3CG46.2 UNK3CG47.2 UNK3CG48.2 UNK3CG49.2 UNK3CG50.2 UNK3CG51.2 UNK3CG52.2 UNK3CG53.2 UNK3CG54.2 UNK3CG55.2 UNK3CG56.2 UNK3CG57.2 UNK3CG58.2 UNK3CG59.2 UNK3CG60.2 UNK3CG61.2 UNK3CG62.2 UNK3CG63.2 UNK3CG64.2 UNK3CG65.2 UNK3CG66.2 UNK3CG67.2 UNK3CG68.2 UNK3CG69.2 UNK3CG70.2 UNK3CG71.2 UNK3CG72.2 UNK3CG73.2 UNK3CG74.2 UNK3CG75.2 UNK3CG76.2 UNK3CG77.2 UNK3CG78.2 UNK3CG79.2 UNK3CG80.2 UNK3CG81.2 UNK3CG82.2 UNK3CG83.2 UNK3CG84.2 UNK3CG85.2 UNK3CG86.2 UNK3CG87.2 UNK3CG88.2 UNK3CG89.2 UNK3CG91.2 UNK3CG92.2 UNK3CG93.2 UNK3CG94.2 UNK3CG95.2 UNK3CG97.2 UNK3CG98.2 UNK3CG99.2 UNK3CG100.2 UNK3CG101.2 UNK3CG102.2 UNK3CG103.2 UNK3CG104.2 UNK3CG105.2 UNK3CG106.2 UNK3CG107.2 UNK3CG108.2 UNK3CG109.2 UNK3CG110.2 UNK3CG111.2 UNK3CG112.2 UNK3CG113.2 UNK3CG115.2 UNK3CG116.2 UNK3CG117.2 UNK3CG118.2 UNK3CG119.2 UNK3CG120.2 UNK3CG121.2 UNK3CG122.2 UNK3CG123.2 UNK3CG124.2 UNK3CG125.2 UNK3CG126.2 UNK3CG127.2 UNK3CG128.2 UNK3CG129.2 UNK3CG130.2 UNK3CG131.2 UNK3CG132.2 UNK3CG133.2 UNK3CG134.2 UNK3CG135.2 UNK3CG136.2 UNK3CG137.2 UNK3CG138.2 UNK3CG139.2 UNK3CG140.2 UNK3CG141.2 UNK3CG142.2 UNK3CG143.2 UNK3CG144.2 UNK3CG145.2 UNK3CG146.2 UNK3CG147.2 UNK3CG148.2 UNK3CG149.2 UNK3CG150.2 UNK3CG151.2 UNK3CG152.2 UNK3CG154.2 UNK3CG155.2 UNK3CG156.2 UNK3CG158.2 UNK3CG159.2 UNK3CG161.2 UNK3CG162.2 UNK3CG163.2 UNK3CG164.2 UNK3CG165.2 UNK3CG166.2 UNK3CG167.2 UNK3CG169.2 UNK3CG170.2 UNK3CG171.2 UNK3CG172.2 UNK3CG173.2 UNK3CG174.2 UNK3CG178.2 UNK3CG179.2 UNK3CG180.2 UNK3CG181.2 UNK3CG182.2 UNK3CG183.2 UNK3CG326.2 UNK3CG327.2 UNK3CH11.2 UNK3CH21.2 UNK3CH131.2 UNK3CH141.2 UNK3CH142.2 UNK3CH152.2 UNK3CH153.1 UNK3CH154.1 UNK3CH241.2 UNK3CH242.2 UNK3CH252.2 UNK3CH253.1 UNK3CH254.1 UNK3CH1111.2 UNK3CH1112.2 UNK3CH1171.2 UNK3CH1172.2 UNK3CH1173.2 UNK3CH1174.2 UNK3CH1201.2 UNK3CH1202.2 UNK3CH1251.2 UNK3CH1252.2 UNK3CH1331.2 UNK3CH1332.2 UNK3CH1333.2 UNK3CH1334.2 UNK3CH1341.2 UNK3CH1342.2 UNK3CH1351.2 UNK3CH1352.2 UNK3CH1361.2 UNK3CH1362.2 UNK3CH1363.2 UNK3CH1364.2 UNK3CH1391.2 UNK3CH1392.2 UNK3CH1401.2 UNK3CH1402.2 UNK3CH1403.2 UNK3CH1404.2 UNK3CH1501.2 UNK3CH1502.2 UNK3CH1503.2 UNK3CH1504.2 UNK3CH1633.2 UNK3CH1634.2 UNK3CH2111.2 UNK3CH2112.2 UNK3CH2171.2 UNK3CH2172.2 UNK3CH2173.2 UNK3CH2174.2 UNK3CH2201.2 UNK3CH2202.2 UNK3CH2251.2 UNK3CH2252.2 UNK3CH2331.2 UNK3CH2341.2 UNK3CH2342.2 UNK3CH2351.2 UNK3CH2352.2 UNK3CH2361.2 UNK3CH2362.2 UNK3CH2363.2 UNK3CH2364.2 UNK3CH2391.2 UNK3CH2392.2 UNK3CH2401.2 UNK3CH2402.2 UNK3CH2403.2 UNK3CH2404.2 UNK3CH2501.2 UNK3CH2502.2 UNK3CH2503.2 UNK3CH2504.2 UNK3CH2633.2 UNK3CH2634.2 UNK3CON1.FG1 UNK3CON1.FG2 UNK3CON3.FG1 UNK3CON3.FG2 UNK3CS1.2 UNK3CS3.2 UNK3CS4.2 UNK3CS5.2 UNK3HOST1.15 UNK3HOST1.45 UNK3HOST1.EP UNK3HOST1.G1 UNK3HOST1.G2 UNK3HOST1.G3 UNK3HOST1.G4 UNK3HOST1.G5 UNK3HOST1.G6 UNK3HOST1.G7 UNK3HOST1.G8 UNK3HOST1.G9 UNK3HOST1.G10 UNK3HOST1.G11 UNK3HOST1.G12 UNK3HOST1.G13 UNK3HOST1.G14 UNK3HOST1.G15 UNK3HOST1.G16 UNK3HOST1.G17 UNK3HOST1.G18 UNK3HOST1.G19 UNK3HOST1.G20 UNK3HOST1.G21 UNK3HOST1.G22 UNK3HOST1.G23 UNK3HOST1.G24 UNK3HOST2.15 UNK3HOST2.45 UNK3HOST2.EP UNK3HOST2.G1 UNK3HOST2.G2 UNK3HOST2.G3 UNK3HOST2.G4 UNK3HOST2.G5 UNK3HOST2.G6 UNK3HOST2.G7 UNK3HOST2.G8 UNK3HOST2.G9 UNK3HOST2.G10 UNK3HOST2.G11 UNK3HOST2.G12 UNK3HOST2.G13 UNK3HOST2.G14 UNK3HOST2.G15 UNK3HOST2.G16 UNK3HOST2.G17 UNK3HOST2.G18 UNK3HOST2.G19 UNK3HOST2.G20 UNK3HOST2.G21 UNK3HOST2.G22 UNK3HOST2.G23 UNK3HOST2.G24 UNK3K6.10 UNK3K144.4 UNK3K144.14 UNK3K144.19 UNK3K144.21 UNK3K144.39 UNK3K144.41 UNK3K144.EP UNK3K145.4 UNK3K145.14 UNK3K145.19 UNK3K145.21 UNK3K145.39 UNK3K145.41 UNK3K145.EP UNK3K183.7 UNK3K184.4 UNK3K184.14 UNK3K184.19 UNK3K184.21 UNK3K184.39 UNK3K184.41 UNK3K184.EP UNK3K213.4 UNK3K213.14 UNK3K213.19 UNK3K213.21 UNK3K213.39 UNK3K213.41 UNK3K213.EP UNK3K214.4 UNK3K214.14 UNK3K214.19 UNK3K214.21 UNK3K214.39 UNK3K214.41 UNK3K214.EP UNK3K217.4 UNK3K217.14 UNK3K217.19 UNK3K217.21 UNK3K217.39 UNK3K217.41 UNK3K217.EP UNK3R2.2 UNK3R3.2 UNK3R5.2 UNK3R6.2 UNK3R7.2 UNK3R9.2 UNK3R10.2 UNK3R19.2 UNK3R24.2 UNK3R26.2 UNK3R56.2 UNK3R62.2 UNK3R69.2 UNK3R105.2 UNK3R110.2 UNK3R138.1 UNK3R264.2 UNK3R275.2 UNK3R281.2 UNK3R282.2 UNK3R309.2 UNK3R343.2 UNK3R345.2 UNK3R456.2 UNK3R500.2 UNK3R519.2 UNK3R538.2 UNK3R552.1 UNK3R568.2 UNK3R569.2 UNK3R570.2 UNK3R571.2 UNK3R572.2 UNK3R573.2 UNK3R574.2 UNK3R575.2 UNK3R576.2 UNK3R577.2 UNK3RB8.2 UNK3RH121.1 UNK3RH129.2 UNK3RH172.1 UNK3RH221.1 UNK3RH229.2 UNK3RH272.1 UNK3RH1511.2 UNK3RH2511.2 UNK3RL15.2 UNK3RL16.2 UNK3RL18.2 UNK3RL21.2 UNK3RL39.2 UNK3RL42.2 UNK3RL44.2 UNK3RRG49.2 UNK3RRG52.2 UNK3RRG54.2 UNK3RRG56.2 UNK3RRG58.2 UNK3RRG59.2 UNK3RRG92.2 UNK3RRG94.2 UNK3RRG96.2 UNK3RSG104.2 UNK3RSG105.2 UNK3RSG114.2 UNK3RSG115.2 UNK3SPIH11.4 UNK3SPIH21.4 UNK3STB00.2 UNK3STB64.2 UNK3STG1.1 UNK3STG01.1 UNK3STG2.1 UNK3STG3.1 UNK3STG6.1 UNK3SWR1.4 UNK3SWR1.8 UNK3SWR1.EP UNK3U6.1 UNK3U6.3 UNK3U6.4 UNK3U6.5 UNK3U6.9 UNK3U6.14 UNK3U6.17 UNK3U6.23 UNK3U6.29 UNK3U6.30 UNK3U6.32 UNK3U6.34 UNK3U6.35 UNK3U6.41 UNK3U6.50 UNK3U6.51 UNK3U6.57 UNK3U6.62 UNK3U6.63 UNK3U17.1 UNK3U17.3 UNK3U17.4 UNK3U17.5 UNK3U17.9 UNK3U17.14 UNK3U17.17 UNK3U17.23 UNK3U17.29 UNK3U17.30 UNK3U17.32 UNK3U17.34 UNK3U17.35 UNK3U17.41 UNK3U17.50 UNK3U17.51 UNK3U17.57 UNK3U17.62 UNK3U17.63 UNK3U18.1 UNK3U18.3 UNK3U18.4 UNK3U18.5 UNK3U18.9 UNK3U18.14 UNK3U18.17 UNK3U18.23 UNK3U18.29 UNK3U18.30 UNK3U18.32 UNK3U18.34 UNK3U18.35 UNK3U18.41 UNK3U18.50 UNK3U18.51 UNK3U18.57 UNK3U18.62 UNK3U18.63 UNK3Y6.2 UNK3Y6.4 UNK3Y7.2 UNK3Y7.4 UNK3YH11.2 UNK3YH11.4 UNK3YH21.2 UNK3YH21.4 UNK45V_OUPUT.1 Y6.2 Y6.4 Y7.2 Y7.4 YH11.2 YH11.4 YH21.2 YH21.4
